# Altium PCB DWJC_Board2.PcbDoc (part 2 of 3)
Units mil, origin at the board's own origin, x right, y up, seen from the top; angles counter-clockwise.
Board outline 3947.04 x 3947.04 mil, 2 copper layers (Top Layer, Bottom Layer); 271 components, 195 nets, 853 pads, 792 vias.
Unrouted connection lines stored in the file: 1.
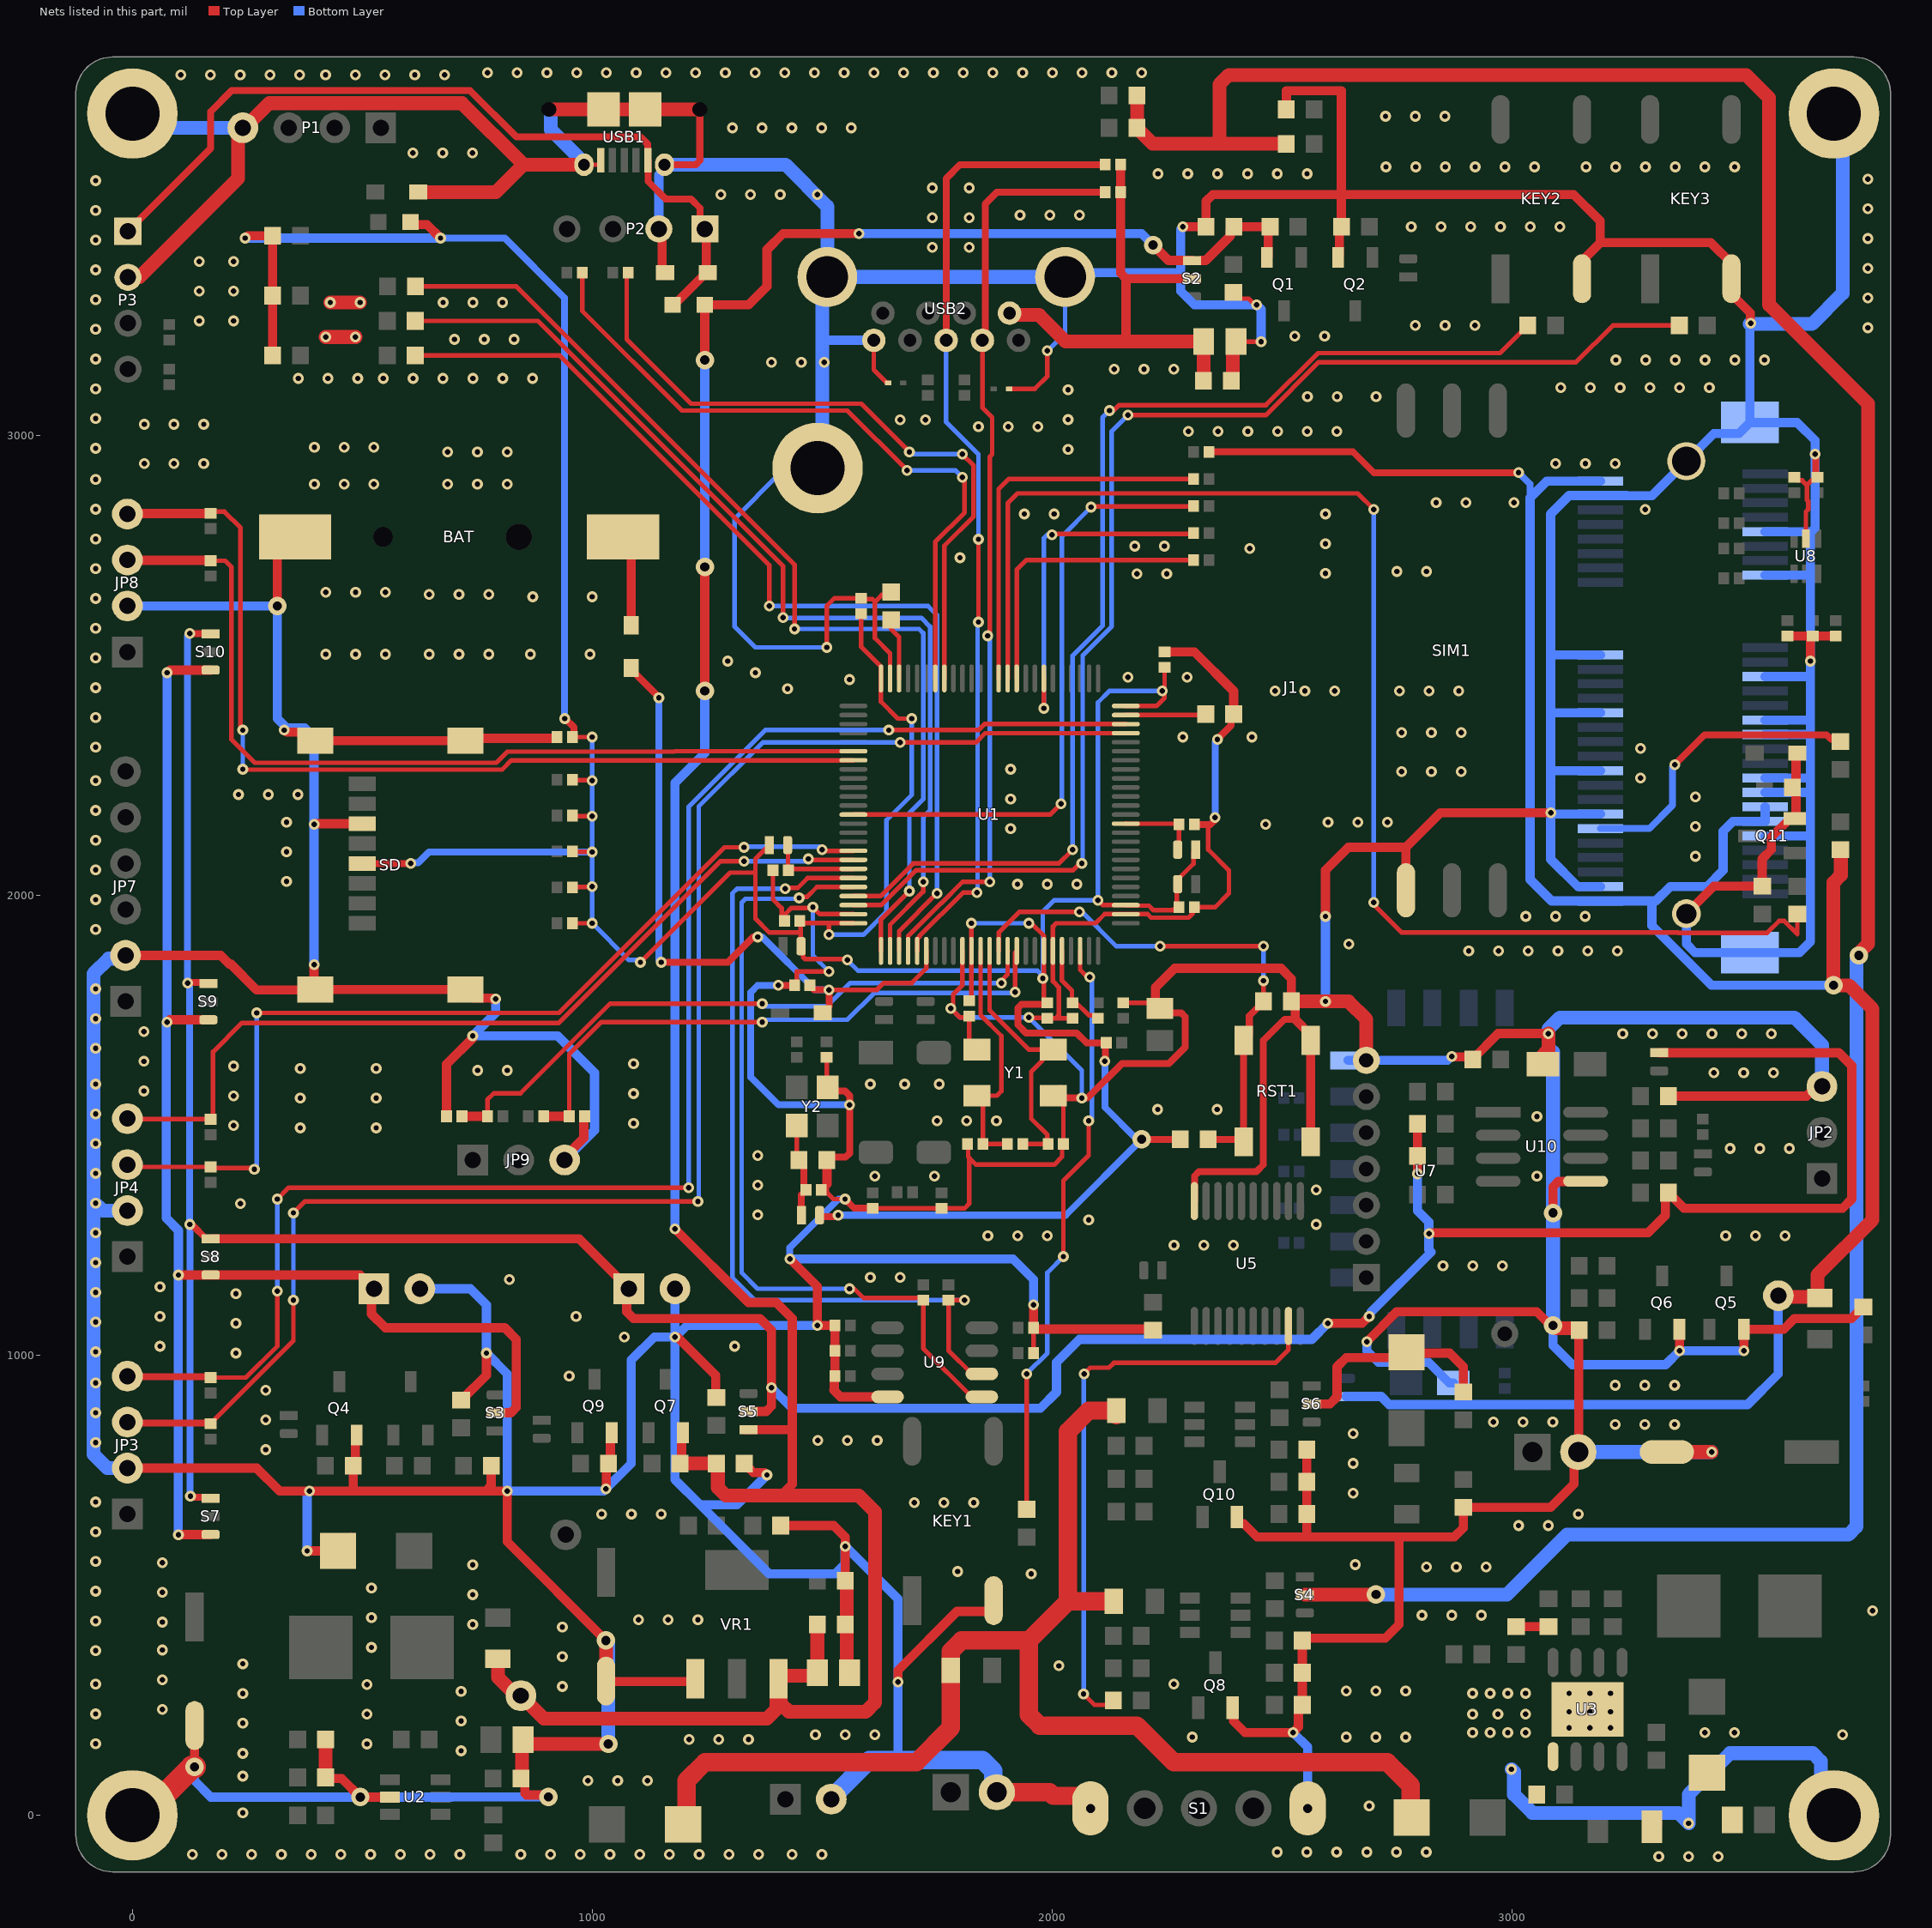
[diagram p2: the nets of this part, all layers, seen from the top]

## Via types
v1: diameter 23.62, hole 11.81, Top Layer to Bottom Layer, 761 vias
v2: diameter 40, hole 20, Top Layer to Bottom Layer, 31 vias

## Nets (pads, with @x,y where several pads share a name; then routed paths per layer and width w, separated by ;. In a path a pad name is that pad's centre, name@x,y a point inside that pad or via, vN(x,y) a via of type N, cw(c..) or ccw(c..) an arc to the next point about the centre after c; other vN are vias at no path point) (continued)
+3.3V_VCC_D: CB14.1 F5.2 J1.2 J1.39 J1.41 J1.52 R56.2 R65.1 TP3.1 | length 5278
  Top Layer w15: R65.1@2341.73,2965 2655,2965 2700,2920 v1(3015,2920)
  Top Layer w30: TP3.1@3580,1130 3582.5,1127.5 3667.5,1127.5 F5.2@3670,1125 3677.5,1125 3665,1137.5 3665,1175 3785,1295 3785,1753.58 3733.58,1805 v2(3700,1805) 3700,2028.5 3715.98,2044.49 3715.98,2099.68 R56.2@3715,2099.68
  Bottom Layer w15: v1(3015,2920) 3040,2895 3040,2865
  Bottom Layer w20: CB14.1@2640,910.63 2716.15,910.63 2733.59,893.19 3513.19,893.19 3580,960 TP3.1@3580,1130 ; J1.2@3192.99,2901.69 3192.83,2901.54 3076.54,2901.54 3040,2865 3040,2035 3086.54,1988.46 3192.83,1988.46 J1.52@3192.99,1988.31 3305,1988.31 ; J1.39@3551.26,2193.03 J1.41@3551.26,2161.53 3551.1,2161.38 3481.38,2161.38 3460,2140 3460,2055 3425,2020 3345,2020 3313.31,1988.31 3305,1988.31 ; v2(3700,1805) 3434.64,1805 3305,1934.64 3305,1988.31
+3.3V_VCC_OUT3.3: JP6.1 S3.2 S7.1 S8.1 S9.1 S10.1 | length 3178.2
  Top Layer w20: v1(75,1725) 75.98,1725 80.98,1730 S9.1@165,1730 ; v1(75,2485) 75.98,2485 81.61,2490.63 S10.1@170,2490.63 ; v1(100,610) 100.47,610.47 169.84,610.47 S7.1@170,610.63 ; v1(100,1175) S8.1@170,1175 495,1175 520,1150 520,1090 550,1060 810,1060 835,1035 835,886.87 823.28,875.16 790.16,875.16 S3.2@790,875
  Bottom Layer w20: v1(75,2485) v1(75,1725) 73.19,1723.19 73.19,1298.89 100,1272.08 v1(100,1175) 99.44,1174.44 99.44,610.56 v1(100,610) ; JP6.1@525,1140 JP6.1@525,1145
+3.3V_VDD: C12.1 C13.1 C14.1 C15.1 C16.1 C17.1 C21.1 CB1.2 CB2.1 CB3.1 CB6.2 CB7.2 F1.2 LED1.A LED2.A LED3.A R1.1 R4.1 R17.1 R18.1 R19.1 R20.1 R22.1 SD.4 U1.11 U1.19 U1.28 U1.50 U1.75 U1.100 | length 8989.7
  Top Layer w10: R17.1@956.73,1940 v1(1000,1940) ; R18.1@956.73,2018 957.73,2019 999,2019 v1(1000,2020) ; R19.1@956.73,2096 957.23,2095.5 999.5,2095.5 v1(1000,2095) ; R20.1@956.73,2174 958.23,2172.5 v1(1000,2172.5) ; R22.1@956.73,2252 957.73,2251 999,2251 v1(1000,2250) ; C21.1@956.73,2345 v1(1000,2345) ; v1(1105,1855) 1300,2050 1355,2050 ; CB2.1@1385,2110 1355,2080 1355,2050 ; C15.1@1453.05,1943.68 1453.05,1917.5 ; C15.1@1456.61,1940.12 U1.100@1568.03,1940.12 ; v1(1515,1915) 1515,1940.04 U1.100@1568.11,1940.04 ; v1(1555,1860) 1553.19,1861.81 1463.26,1861.81 1459.21,1865.86 1459.21,1885.16 CB6.2@1454.37,1890 1453.05,1891.32 1453.05,1917.5 ; C16.1@1585,2613.27 1585,2541.1 1628.15,2497.95 U1.75@1628.15,2472.52 1628.15,2421.85 1665,2385 v1(1695,2385) ; C14.1@1820,1771.73 1824.92,1776.65 1824.92,1879.92 U1.11@1825,1880 v1(1825,1940) ; v1(1950,1940) 1955,1940 1982.4,1912.6 1982.4,1880.08 U1.19@1982.48,1880 1982.56,1879.92 1982.56,1773.54 C17.1@1989.37,1766.73 ; v1(2100,1990) 2110.59,1979.41 U1.28@2160.63,1979.41 2161.85,1978.19 2210.97,1978.19 2220.97,1968.19 2263.19,1968.19 C12.1@2271.63,1976.63 ; U1.50@2160.63,2412.48 2227.48,2412.48 2245,2430 C13.1@2245,2496.54 ; C12.1@2271.63,1973.37 2273.27,1975 C12.1@2271.63,1976.63 ; CB7.2@2271.63,2026.63 2270,2025 2271.63,2023.37 C12.1@2271.63,1976.63 ; CB7.2@2273.58,2025 2273.58,2034.84 2308.11,2069.37 2308.11,2095.16 CB3.1@2312.95,2100 ; 1355,2050 1355,1950 1385.31,1919.69 1450.87,1919.69 1453.05,1917.5
  Top Layer w15: SD.4@500,2070 v1(605,2070) ; v1(940,2385) 941.21,2385 960,2366.21 960,2348.27 C21.1@956.73,2345 ; CB1.2@1494.37,1305 1494.37,1303.99 1496.71,1301.65 1531.65,1301.65 v1(1535,1305) ; C17.1@1989.37,1766.73 1986.42,1763.79 1933.79,1763.79 1925.69,1755.69 1925.69,1719.31 1943.88,1701.12 2053.88,1701.12 2075,1680 R4.1@2118.27,1680 2116.63,1678.37 2116.63,1641.63 v1(2115,1640) ; v2(2195,1470) R1.1@2279.37,1470 R1.1@2279.68,1470.32
  Top Layer w20: v1(245,3430) 245.98,3430 250.98,3435 LED1.A@304.68,3435 LED2.A@304.68,3305 LED3.A@304.68,3175 ; F1.2@605,3465 610.44,3459.56 640.44,3459.56 v1(670,3430)
  Bottom Layer w10: v1(1000,2345) v1(1000,2250) v1(1000,2172.5) v1(1000,2095) v1(1000,2020) v1(1000,1940) 1080,1860 1100,1860 v1(1105,1855) ; v1(1515,1915) 1590,1915 1640,1965 1640,2164.15 1695,2219.15 v1(1695,2385) ; v1(1555,1860) 1578.19,1836.81 1968.19,1836.81 v1@1980,1825 ; v1(1825,1940) v1(1950,1940) ; v1(1980,1820) v1@1980,1825 ; v1(2240,2445) 2125,2445 2100,2420 v1(2100,1990) 2005,1990 1980,1965 v1@1980,1825
  Bottom Layer w15: v1(605,2070) 606.65,2071.65 621.65,2071.65 645,2095 v1(1000,2095) ; v1(670,3430) 810,3430 940,3300 v1(940,2385) ; v1(1535,1305) 2030,1305 v2(2195,1470) 2185,1470 2115,1540 v1(2115,1640)
  Bottom Layer w20: v1(245,3430) v1(670,3430)
+5V_USB: D4.2 F2.1 P2.1 P3.1 USB1.1 | length 1823.8
  Top Layer w15: P3.1@-10,3445 170,3625 170,3705 215.96,3750.96 734.04,3750.96 835,3650 1105,3650 1120.53,3634.47 1120.53,3599.94 USB1.1@1120.91,3599.57 1121.28,3599.19 1121.28,3553.72 1160,3515 1215,3515 1235,3495 P2.1@1235,3460
  Top Layer w20: F2.1@1175,3285 1182.5,3292.5 1185.61,3292.5 1248.11,3355 D4.2@1251.46,3355 1248.23,3358.23 1248.23,3446.77 P2.1@1245,3450 P2.1@1235,3460
+5V_VCC: C22.2 C25.2 C26.2 C41.2 F2.2 F4.2 Q1.2 Q7.2 R25.2 R41.2 S2.3 S5.3 TP2.1 VR1.3 | length 6553.2
  Top Layer w20: v1(1180,1275) 1340,1115 1400,1115 1435,1080 1435,840 ; R41.2@1190.63,765 1194.61,768.98 1194.61,829.13 Q7.2@1197.4,831.93 1197.4,822.09 Q7.2@1200.2,819.29 ; v2(1245,2445) v2(1245,2715) ; v2(1245,3165) F2.2@1245,3285 1340,3285 1380,3325 1380,3405 1415,3440 v1(1580,3440) ; S5.3@1330.31,838.38 1330.47,838.54 S5.3@1340,838.54 1340.16,838.7 1433.7,838.7 1435,840 ; 1410,695 1435,720 1435,840 ; v2(2220,3415) 2253.54,3381.46 S2.3@2305,3381.46 ; 2324.98,3381.46 2334.51,3381.46 2387.68,3434.63 2387.68,3446.69 C26.2@2395.98,3455 R25.2@2474.68,3455 2470.39,3450.71 2470.39,3390.87 Q1.2@2467.6,3388.07
  Top Layer w30: F4.2@795,340 795,300 835,260 TP2.1@845,260 895,210 1380,210 1400.87,230.87 1400.87,292.2 VR1.3@1405.55,296.89 ; R41.2@1190.63,765 C41.2@1270,765 1273.31,761.69 1273.31,712.57 1290.88,695 1410,695 1580,695 1615,660 1615,245 1595,225 1427.81,225 1410.24,242.57 1410.24,292.2 VR1.3@1405.55,296.89 ; C22.2@1489.68,414.82 1489.82,414.68 1489.82,310.14 C25.2@1489.96,310 1483.41,303.44 1410.24,303.44 1405.55,298.76 VR1.3@1405.55,296.89
  Bottom Layer w20: v1(1180,1275) 1180,2245 1245,2310 v2(1245,2445) ; v2(1245,2715) v2(1245,3165) ; v1(1580,3440) 2195,3440 v2(2220,3415)
+5V_VCC_OUT5: CB15.1 JP5.1 R92.1 R94.1 R95.1 S5.2 S7.3 S8.3 S9.3 S10.3 | length 7261.4
  Top Layer w15: v1(120,1810) 120.85,1810.85 162.89,1810.85 S9.3@165,1808.74 ; v1(125,1285) 126.65,1283.35 130.55,1283.35 160.16,1253.74 S8.3@170,1253.74 ; v1(125,2570) 125.32,2569.68 169.69,2569.68 S10.3@170,2569.37 ; v1(126.25,693.75) 128.58,693.75 130.62,691.71 167.66,691.71 S7.3@170,689.37
  Top Layer w20: S8.3@170,1253.74 971.26,1253.74 JP5.1@1080,1145 1075,1140 1075,1095 1090,1080 1365,1080 1390,1055 v1(1390,930) 1390,890 1378.07,878.07 1340.16,878.07 S5.2@1340,877.91 ; v1(2600,1070) 2675,1070 v1(2690,1085) ; v1(2795,1395) 2795,1433.78 R94.1@2795.12,1433.9 R92.1@2795.12,1503.9 ; v1(2820,1265) 2821.81,1266.81 3296.81,1266.81 3334.61,1304.61 3334.61,1347.44 R95.1@3341.06,1353.9 ; CB15.1@3320.75,1658.27 3711.73,1658.27 3740,1630 3740,1340 3720,1320 3374.96,1320 R95.1@3350.35,1344.61
  Bottom Layer w15: v1(125,2570) 120,2565 v1(120,1810) 124.31,1805.69 124.31,1285.69 v1(125,1285) 125,695 v1(126.25,693.75)
  Bottom Layer w20: v1(1390,930) 1435,885 1975,885 2010,920 2010,985 2060,1035 2565,1035 v1(2600,1070) ; v1@2695,1095 2825,1225 2820,1230 v1(2820,1265) 2820,1290 2795,1315 v1(2795,1395)
+5V_VCC_USB: C54.2 C55.2 R80.2 R81.2 S2.2 USB2.1 | length 1067.2
  Top Layer w20: R80.2@2149.37,3590 R81.2@2149.37,3530 2149.37,3353.81 2161.09,3342.09 ; 2160,3205 2161.09,3206.09 2161.09,3342.09 ; S2.2@2305,3342.09 2161.09,3342.09
  Top Layer w30: USB2.1@1907.8,3266.89 1911.85,3262.84 1972.16,3262.84 2030,3205 2160,3205 C54.2@2330,3205 2329.84,3204.84 2329.84,3120.16 C55.2@2329.68,3120
+12V_VCC_CAM: R44.2 R84.1 R85.1 S4.2 | length 6230.2
  Top Layer w30: R84.1@2185,3740 R85.1@2185,3670 2185,3669.02 2219.02,3635 2364.35,3635 ; R44.2@2509.68,3635 2364.35,3635 ; S4.2@2550,479.37 2694.37,479.37 2695,480 v2(2705,480) ; v2(3755,1870) 3755,1875 3775,1895 3775,3070 3560,3285 3560,3735 3510,3785 2385,3785 2364.35,3764.35 2364.35,3635
  Bottom Layer w30: v2(2705,480) 2990,480 3120,610 3732.43,610 3750,627.57 v2@3750,1870
+12V_VCC_OUT: D12.1 R52.2 S6.2 | length 482.7
  Top Layer w20: S6.2@2565,894.37 2565.16,894.53 2604.53,894.53 2620,910 2620,975 2640,995 2759.51,995 D12.1@2771.58,1007.07 2773.65,1005 2865,1005 2895,975 R52.2@2895,920.32
ADC_CH1: R101.2 R102.1 U1.15 | length 1394.8
  Top Layer w10: R101.2@772.18,1520 772.18,1556.32 785.86,1570 843.79,1570 1038.79,1765 v1(1370,1765) ; v1(1890,1810) 1890,1815 1903.66,1828.66 1903.66,1879.92 U1.15@1903.74,1880
  Top Layer w20: R102.1@716.73,1520 R101.2@772.18,1520
  Bottom Layer w10: v1(1370,1765) 1375.4,1759.6 1511.01,1759.6 1561.41,1810 v1(1890,1810)
ADC_CH2: R103.2 R104.1 U1.16 | length 1307.8
  Top Layer w10: R104.1@950,1520 950,1655 1020,1725 v1(1370,1725) ; v1(1920,1790) 1920,1876.57 U1.16@1923.43,1880
  Top Layer w20: R103.2@894.55,1520 R104.1@950,1520
  Bottom Layer w10: v1(1370,1725) 1375,1730 1555,1730 1613.19,1788.19 1918.19,1788.19 v1(1920,1790)
BOOT0: CB2.2 R5.1 U1.94 | length 198.4
  Top Layer w10: CB2.2@1425,2110 1425.87,2109.13 1425.87,2055.87 R5.1@1426.73,2055 1429.8,2058.07 1568.03,2058.07 U1.94@1568.11,2058.15
BOOT1: CB3.2 R6.1 U1.37 | length 172
  Top Layer w10: U1.37@2160.63,2156.57 2160.71,2156.5 R6.1@2275.04,2156.5 ; R6.1@2275,2156.54 R6.1@2275.04,2156.5 ; CB3.2@2275.63,2100 2276.08,2100.45 2276.08,2154.55 R6.1@2276.54,2155 R6.1@2275.04,2156.5
CAM_CNT: R81.1 U1.4 USB2.8 | length 2022.7
  Top Layer w10: U1.4@1687.2,1880 1687.2,1912.2 1758.19,1983.19 1759.03,1983.19 1805.85,2030 v1(1865,2030) ; USB2.8@1848.74,3207.83 1848.74,3061.26 1870,3040 1870,2960 1865,2955 1865,2570 v1(1860,2565)
  Top Layer w15: USB2.8@1848.74,3207.83 1855,3214.09 1855,3505 1880,3530 R81.1@2115.91,3530
  Bottom Layer w10: v1(1860,2565) 1865,2560 v1(1865,2030)
CAM_CRTL: R46.1 U5.19 | length 1293.4
  Top Layer w10: v1(2068.75,263.75) 2092.5,240 2123.43,240 R46.1@2133.43,250 ; v1(2070,960) 2083.19,973.19 2124.03,973.19 2134.82,983.98 2486.04,983.98 2514.57,1012.5 U5.19@2514.57,1064.17
  Bottom Layer w10: v1(2068.75,263.75) 2069.38,264.38 2069.38,959.38 v1(2070,960)
CAM_TP: R80.1 U1.5 USB2.7 | length 2140.1
  Top Layer w10: U1.5@1706.89,1880 1706.89,1905.43 1711.65,1910.2 1711.65,1911.77 1806.48,2006.59 v1(1836.59,2006.59) ; v1(1840,2595) v1(1840,2775)
  Top Layer w15: USB2.7@1770,3207.83 1770,3560 1800,3590 R80.1@2115.91,3590
  Bottom Layer w10: USB2.7@1770,3207.83 1770,3030 1840,2960 v1(1840,2775) ; v1(1836.59,2006.59) 1838.19,2008.19 1838.19,2593.19 v1(1840,2595)
DC_IN: D5.1 D7.1 F3.2 F6.2 F7.2 | length 2916.2
  Top Layer w40: D5.1@1197.68,-20 1205,-12.68 1205,75 1245,115 1705,115 1780,190 F3.2@1780,315 1780,356.57 1803.43,380 1950,380 ; F6.2@2134.37,465 2035,465 ; F7.2@2140,870 F7.2@2140,880 2080,880 2035,835 2035,465 ; D7.1@2782.32,-5 2780,-2.68 2780,65 2730,115 2265,115 2185,195 1973.43,195 1950,218.43 1950,380 ; 1950,380 2035,465
EC25_DTR: R73.1 U1.60 | length 629.7
  Top Layer w10: U1.60@1923.43,2472.52 1923.43,2708.43 1945,2730 R73.1@2308.27,2730
EC25_PERST#: R60.1 U1.61 | length 3071.7
  Top Layer w10: U1.61@1903.74,2472.52 1903.74,2853.74 1925,2875 2665,2875 v1(2700,2840) ; v1@2697.5,1982.5 2760,1920 3362.06,1920 3362.81,1919.25 3555.99,1919.25 3581.74,1945 3592.82,1945 3621.41,1916.41 R60.1@3621.41,1959.69
  Bottom Layer w10: v1(2700,1985) v1(2700,2840)
EC25_RI: R70.1 U1.57 | length 765.7
  Top Layer w10: v1(1982.4,2407.4) 1982.4,2472.44 U1.57@1982.48,2472.52 ; v1(2000,2785) 2001.88,2786.88 2306.39,2786.88 R70.1@2308.27,2788.75
  Bottom Layer w10: v1(1982.4,2407.4) 1982.61,2407.61 1982.61,2777.61 1990,2785 v1(2000,2785)
EC25_W_DISABLE: R71.2 U1.88 | length 1358
  Top Layer w10: U1.88@1568.11,2176.26 1996.26,2176.26 v1(2020,2200) ; v1(2085,2845) 2086.25,2846.25 2307.02,2846.25 R71.2@2308.27,2847.5
  Bottom Layer w10: v1(2020,2200) 2021.81,2201.81 2021.81,2781.81 v1(2085,2845)
EC25_WAKE#: R66.1 U1.62 | length 844.9
  Top Layer w10: U1.62@1884.06,2472.52 1884.06,2884.06 1906.25,2906.25 R66.1@2308.27,2906.25
GND: BAT.2 C1.1 C2.2 C3.1 C4.1 C5.2 C6.1 C7.2 C8.1 C9.1 C10.1 C11.1 C12.2 C13.2 C14.2 C15.2 C16.2 C17.2 C18.1 C19.2 C20.2 C21.2 C22.1 C23.1 C24.2 C25.1 C26.1 C27.2 C28.1 C29.1 C30.2 C31.2 C34.1 C35.2 C36.2 C37.1 C38.1 C41.1 C42.1 C43.1 C45.1 C46.2 C47.1 C48.1 C49.1 C50.1 C51.1 C52.1 C53.2 C54.1 C55.1 C56.1 C57.2 D3.1 D4.1 D6.1 D8.1 D9.1 D10.2 D11.2 J1.4 J1.9 J1.15 J1.18 J1.21 J1.26 J1.27 J1.29 J1.34 J1.35 J1.37 J1.40 J1.43 J1.50 J1.53 J1.54 J1.MH1 J1.MH2 J1.MH3 JP1.2 JP2.3 JP3.2 JP4.2 JP5.2 JP6.2 JP7.2 JP8.2 JP9.3 KEY1.2 KEY2.2 KEY3.2 KF1.2 KF2.2 LED4.K LED5.K LED6.K LED7.K MH1.1 MH2.1 MH3.1 MH4.1 P1.4 P2.2 P3.2 Q2.2 Q4.2 Q5.2 Q6.2 Q8.2 Q9.2 Q10.2 Q11.2 R5.2 R6.2 R27.2 R29.1 R34.1 R36.1 R38.2 R39.1 R40.1 R45.2 R47.2 R48.2 R49.1 R53.2 R55.2 R64.2 R74.1 R77.2 R78.2 R79.2 R86.2 R102.2 R104.2 RST1.1 S1.0 SD.6 SD.9 SD.10 SD.11 SD.12 SIM1.4 U1.10 U1.20 U1.27 U1.74 U1.99 U2.2 U3.0 U3.5 U5.10 U7.7 U8.2 U9.4 U10.5 USB1.5 USB1.Shell USB2.5 USB2.Shell VR1.1 Y1.2 Y1.4 Y2.2 | length 45983.3
  Top Layer w10: USB1.Shell@975,3589.72 USB1.Shell@982.13,3589.72 1015.67,3589.72 1018.54,3592.6 USB1.5@1018.54,3599.57 ; USB1.Shell@1018.54,3685 1018.54,3704.09 USB1.Shell@1024.45,3710 ; R5.2@1393.27,2055 1393.27,1991.73 1412.2,1972.8 1412.2,1951.06 C15.2@1418.27,1945 1420,1946.73 1420,1960 1433.19,1973.19 1478.19,1973.19 v1(1480,1975) 1495.28,1959.72 U1.99@1568.11,1959.72 ; C7.2@1440,1805 1445,1810 1445,1835 v1(1515,1835) ; C18.1@1510,1648.27 1510,1584.61 Y2.2@1511.93,1582.68 ; v1(1510,2540) 1510,2630 1526.73,2646.73 C16.2@1585,2646.73 1586.73,2645 1609.14,2645 1615,2639.14 ; 1510.63,1373.15 1510.63,1354.37 1525,1340 v1(1550,1340) ; C19.2@1610,1320 C20.2@1760,1320 1810,1320 1820,1330 1820,1430 ; USB2.5@1612.52,3207.83 1612.52,3143.94 1641.46,3115 D10.2@1643.46,3115 ; U1.74@1647.83,2472.52 1647.83,2527.17 1615,2560 1615,2639.14 ; C4.1@1650,2660.32 1643.83,2654.14 1630,2654.14 1615,2639.14 ; v1@1785,1750 1800,1735 1816.73,1735 C14.2@1820,1738.27 1820,1682 Y1.4@1837,1665 ; v1@1785,1755 1785,1785 1805.31,1805.31 U1.10@1805.31,1880 ; C2.2@1816.54,1460 1817.8,1458.74 1817.8,1432.2 1820,1430 ; D11.2@1906.54,3102.2 1962.8,3102.2 1990,3129.41 v1(1990,3185) ; v1(1950,1735) 1950.87,1734.13 1989.13,1734.13 C17.2@1990,1733.27 2008.27,1733.27 ; R74.1@1960,1005 C53.2@1960,1060 ; Y1.2@2003,1565 2006.38,1565 2025,1546.38 C5.2@2025,1460 2022.2,1457.2 2022.2,1432.2 2005,1415 1835,1415 1820,1430 ; C6.1@2045,1733.27 2008.27,1733.27 ; C9.1@2155,1766.73 2223.27,1766.73 C8.1@2225,1765 ; C8.1@2229.13,1760.87 C8.1@2235,1755 ; C12.2@2306.73,1975 2306.73,1961.73 2297.2,1952.2 2215.74,1952.2 2208.22,1959.72 U1.27@2160.63,1959.72 2160.55,1959.8 2115.12,1959.8 2114.92,1960 2094.92,1940 2009.33,1940 2002.17,1932.83 U1.20@2002.17,1880 2002.17,1813.7 2015,1800.87 2015,1740 2008.27,1733.27 ; C12.2@2310,1975 2355,1975 2385,2005 2385,2055 2340,2100 2340,2150 2345,2155 ; C54.1@2393.62,3198.54 C54.1@2400.08,3205 v1(2455,3205) ; C29.1@2395,3311.78 2408.31,3298.47 2427.85,3298.47 2441.31,3285 v1(2445,3285) ; C50.1@3615,2909.92 3621.81,2903.11 3631.89,2903.11 3642.2,2892.8 ; U8.2@3640,2776.38 3640,2835 3645,2840 3645,2857.71 3642.2,2860.5 3642.2,2892.8 ; C49.1@3665,2909.92 3658.19,2903.11 3652.52,2903.11 3642.2,2892.8
  Top Layer w15: USB1.Shell@1157.32,3589.72 1225.31,3589.72 1234.09,3598.51 USB1.Shell@1234.09,3710 ; v1(1405,1805) C7.2@1440,1805 ; C11.1@1510.63,1425 1516.84,1431.21 1551.21,1431.21 1560,1440 v1(1560,1545) 1560,1565 1550,1575 1519.61,1575 Y2.2@1511.93,1582.68 ; v1(1550,1340) 1570,1320 C19.2@1610,1320 ; Y1.2@2003,1565 2019.12,1581.12 2019.12,1570.88 2030,1560 v1(2065,1560) 2077.5,1560 2152.5,1635 2254.53,1635 2290,1670.47 2290,1736.21 2281.21,1745 2245,1745 C8.1@2235,1755 ; U5.10@2309.84,1335.83 2309.99,1335.97 2309.99,1389.99 2320,1400 2445,1400 2460,1415 2460,1685 2505.94,1730.94 2528.94,1730.94 ; R6.2@2310,2155 2345,2155 2355,2165 v1(2355,2170) ; v1(2360,2340) 2390,2370 2390,2389.68 C3.1@2395.32,2395 ; v1(3660,2960) 3661.65,2958.35 3661.65,2913.27 C49.1@3665,2909.92
  Top Layer w20: JP7.2@-15,1870 191.72,1870 210.5,1851.21 213.79,1851.21 270,1795 361.54,1795 368.27,1788.27 SD.12@368.27,1795 ; JP3.2@-11,755 270,755 320,705 v1(385,705) 486.02,705 ; v2(135,105) C31.2@135,195 ; v2(315,2630) 315,2741.27 BAT.2@353.73,2780 ; v1(330,2360) 330.98,2360 335.51,2355.47 379.09,2355.47 SD.9@397.64,2336.93 SD.10@724.41,2336.93 729.68,2342.2 921.46,2342.2 923.27,2344.02 C21.2@923.27,2345 ; v1(380,575) D6.1@447.32,575 D6.1@476.69,604.37 ; SD.12@380,1795 SD.12@380.59,1795.59 ; v1(395,1850) 395,1810 SD.12@380.59,1795.59 ; v1(395,2155) 396.61,2156.61 SD.6@500,2156.61 ; R27.2@420,82.24 422.24,80 455,80 v2(495.57,39.43) U2.2@559.88,39.43 ; Q4.2@487.4,826.93 484.61,824.13 484.61,764.29 R36.1@480.31,760 480.31,710.71 486.02,705 ; R102.2@683.27,1520 683.27,1633.27 740,1690 v1(740,1695) ; C38.1@715,903.22 715.98,903.22 770,957.24 v1(770,1005) ; C34.1@780.63,760 780,759.37 780,716.72 768.28,705 ; v1(790,1775) 784.02,1775 781.97,1777.05 742.95,1777.05 SD.11@724.41,1795.59 SD.12@397.64,1795.59 SD.12@380.59,1795.59 ; C28.1@845.32,80 853.62,71.69 853.62,47.24 857.03,43.83 901.17,43.83 v2(905,40) ; JP9.3@940,1425 940,1431.45 981.65,1473.1 981.65,1518.19 R104.2@983.46,1520 ; C24.2@1028.74,290.63 1218.19,290.63 VR1.1@1224.45,296.89 ; v2(1030,380) 815,595 v1(815,705) 768.28,705 ; v1(1030,710) 1030.69,710.69 1030.69,760.38 R49.1@1035.31,765 1039.61,769.29 1039.61,829.13 Q9.2@1042.4,831.93 ; P2.2@1145,3450 1151.77,3443.23 1151.77,3361.34 1158.11,3355 D4.1@1158.54,3355 ; v1(1180,1040) 1185,1040 1268.47,956.53 1268.47,909.76 C43.1@1270,908.22 ; C41.1@1330.63,765 1330.63,764.02 1338.94,755.71 1339.92,755.71 1350.63,745 1375,745 v1(1380,740) ; LED4.K@1410,630 1525,630 1550.32,604.68 v1(1550.32,585) C23.1@1550.32,510 ; v1(1430,1210) 1490,1150 v1(1490,1065) R77.2@1528.27,1065 R78.2@1528.27,1010 R79.2@1528.27,955 1526.46,953.19 1526.46,926.46 1525,925 1540,910 U9.4@1642.64,910 ; 1510.63,1373.15 C11.1@1510.63,1425 ; v1(1665,290) 1665,315 1793.31,443.31 1864.22,443.31 1873.17,452.26 KEY1.2@1873.17,466.77 ; v1(1960,1110) C53.2@1960,1060 1960,1059.15 1961.81,1057.34 2217.34,1057.34 R47.2@2220,1054.68 ; C8.1@2229.13,1760.87 2225,1765 2225,1800 2266.81,1841.81 2498.19,1841.81 2520.63,1819.37 C1.1@2520.63,1770 2528.94,1761.69 2528.94,1730.94 2562.83,1697.05 RST1.1@2562.83,1685.24 RST1.1@2562.83,1464.76 ; C13.2@2245,2530 2310,2530 2395.32,2444.68 C3.1@2395.32,2395 ; v1(2285,3455) C26.1@2335.35,3455 2335.35,3510.35 2350,3525 2629.69,3525 ; Q8.2@2393.01,233.57 2395,231.58 2395,205 2420,180 v1(2524.62,180) 2536.34,191.72 2536.34,231.69 R48.2@2544.65,240 R45.2@2544.65,310 C42.1@2544.65,380 2549.65,385 2725,385 2755,415 2755,605 ; Q10.2@2402.4,648.57 2402.4,637.74 2406.18,633.96 2417.01,633.96 2445.97,605 2555,605 ; LED6.K@2509.69,3710 2510,3710.31 2510,3750.31 2629.69,3750.31 2629.69,3525 ; C45.1@2554.65,795 R53.2@2554.65,725 R55.2@2554.65,655 2554.65,605.35 2555,605 ; S1.0@2556.22,15 2556.22,16.22 S1.0@2570,30 ; v1(2595,1955) 2595,2055 2645,2105 2770,2105 ; Q2.2@2622.6,3388.07 2625.39,3390.87 2625.39,3450.71 R29.1@2629.69,3455 2629.69,3525 ; v1(2685,1030) 2750,1095 3054.59,1095 3084.59,1065 v2(3090,1065) ; SIM1.4@2770,2011.69 2770,2105 ; v1(2870,1650) 2870.69,1649.31 2910.02,1649.31 C56.1@2915.43,1643.9 2915.43,1644.88 2970.55,1700 v1(3080,1700) ; R34.1@3010,410 R40.1@3080,410 ; C57.2@3060,1645 3067.6,1637.4 C57.2@3067.6,1633.9 ; v1(3085,2180) 2845,2180 2770,2105 ; U3.5@3090,106.97 U3.5@3090,127.64 ; v2(3090,1310) 3090,1366.44 3101.72,1378.15 3160.12,1378.15 U10.5@3160.87,1378.9 U10.5@3161.61,1378.15 ; R39.1@3146.89,1055.02 3145.94,1054.08 3145.94,790.94 KF2.2@3145,790 3135.63,780.63 3135.63,720.63 3084.69,669.69 LED7.K@2895,669.69 2895,625 2875,605 2755,605 ; KEY2.2@3153.17,3341.77 3153.17,3380.48 3192.69,3420 ; R86.2@3341.06,1563.9 3641.2,1563.9 3662.3,1585 JP2.3@3675,1585 ; Q6.2@3364.92,1056.95 3364.96,1056.91 v1(3365,1010) v1(3365,1010) ; J1.MH2@3380,1960.75 3439.88,2020.63 R64.2@3545,2020.63 3545,2080 3565,2100 3565,2127.61 3604.8,2167.4 Q11.2@3615.62,2167.4 3618.54,2170.32 3618.54,2307.08 D9.1@3621.46,2310 ; v1(3505,1010) 3505,1056.87 Q5.2@3504.92,1056.95 3591.95,1056.95 3615,1080 3738.7,1080 3764.02,1105.31 LED5.K@3765,1105.31 ; v1(3520,3245) 3519.31,3245.69 3519.31,3267.17 3478.17,3308.31 KEY3.2@3478.17,3341.77 3478.17,3375.24 3433.4,3420 3192.69,3420 ; C51.1@3600,2564.72 C52.1@3654.02,2564.72 ; v1(3650,2510) 3650,2559.72 3652.2,2561.93 3652.2,2562.91 C52.1@3654.02,2564.72 ; C48.1@3705,2564.72 C52.1@3655,2564.72 C52.1@3654.02,2564.72 ; 486.02,705 768.28,705 ; 2555,605 2755,605 ; 2629.69,3525 3135,3525 3192.69,3467.31 3192.69,3420
  Top Layer w30: P3.2@-10,3345 15,3345 230,3560 230,3660 P1.4@240,3670 244.04,3670 297.5,3723.46 716.54,3723.46 850.28,3589.72 ; R27.2@420,82.24 C30.2@420,164.74 ; v1(420.32,3215) v1(485,3215) ; v1(430.32,3290) v1(495,3290) ; D3.1@621.46,3530 790.55,3530 850.28,3589.72 ; C28.1@845.32,80 847.66,82.34 847.66,162.4 C27.2@850,164.74 850,162.83 857.83,155 v2(1035,155) ; USB1.Shell@905.35,3710 USB1.Shell@1024.45,3710 USB1.Shell@1115,3710 USB1.Shell@1234.09,3710 ; USB1.Shell@975,3589.72 850.28,3589.72 ; C24.2@1028.74,290.63 C24.2@1030,291.89 v2(1030,380) ; C23.1@1550.32,510 1553.62,506.69 1553.62,316.42 C25.1@1560.04,310 ; C55.1@2390.32,3120 2393.62,3123.31 C54.1@2393.62,3198.54 ; C1.1@2520.63,1770 v1(2595,1770) 2645,1770 2683.82,1731.18 U7.7@2683.82,1641.79 ; C57.2@3060,1645 3080,1665 v1(3080,1700) ; v2(3090,1065) 3095.68,1059.32 3143.58,1059.32 3146.89,1056.01 R39.1@3146.89,1055.02 ; C35.2@3305,-25 3305,-24.74 C35.2@3312.24,-17.5 ; C36.2@3337.52,790 v1(3435,790) ; C37.1@3472.46,-17.5 C37.1@3479.96,-10
  Top Layer w40: KF1.2@1880,50 1995,50 2002.9,42.1 2065.88,42.1 2083.78,24.2 S1.0@2083.78,15
  Top Layer w50: MH1.1@0,0 25,0 130,105 v2(135,105)
  Bottom Layer w10: v1(1480,1975) 1480,1870 v1(1515,1835) ; J1.MH3@1490.24,2929.88 1439.67,2929.88 1427.29,2917.5 1407.5,2917.5 1310,2820 1310,2585 1355,2540 v1(1510,2540) ; v1(1780,1755) 1800,1735 v1(1950,1735) 2065,1620 v1(2065,1560) ; v1(1990,3185) 2028.66,3223.66 USB2.Shell@2028.66,3345.63
  Bottom Layer w15: v1(1405,1805) 1360,1805 1345,1790 1345,1605 1405,1545 v1(1560,1545) ; v1(1430,1210) 1430,1234.38 1535.62,1340 v1(1550,1340) ; v1(2355,2170) 2355,2335 v1(2360,2340)
  Bottom Layer w20: JP8.2@-11,2630 v2(315,2630) 315,2385 335,2365 375,2365 395,2345 v1(395,2155) v1(395,1850) ; v2(135,105) 135,75 170.57,39.43 v2(495.57,39.43) 694.43,39.43 695,40 v2(905,40) ; v1(380,575) 380,700 v1(385,705) ; JP6.2@625,1145 735,1145 770,1110 v1(770,1005) 815,960 v1(815,705) 1025,705 v1(1030,710) 1085,765 1085,990 1135,1040 v1(1180,1040) ; v1(790,1775) 790,1745 v1(740,1695) 925,1695 1005,1615 1005,1490 JP9.3@940,1425 ; P2.2@1145,3450 1145,3567.69 1157.32,3580.01 USB1.Shell@1157.32,3589.72 ; JP5.2@1180,1145 v1(1180,1040) ; v1(1380,740) 1315,675 1235,675 ; v1(1430,1210) 1915,1210 1960,1165 v1(1960,1110) ; v1(1490,1065) 1205.98,1065 1180.98,1040 v1(1180,1040) ; 1500.79,3200 1508.62,3207.83 USB2.5@1612.52,3207.83 ; 1660,120 1665,125 v1(1665,290) 1665,470.32 v1(1550.32,585) 1549.62,584.31 1549.62,546.34 1528.28,525 1385,525 1235,675 ; USB2.Shell@2028.66,3345.63 2038.03,3355 2280,3355 ; v1(2285,3455) 2285,3454.02 2280,3449.02 2280,3355 ; v1(2455,3205) 2455,3275 v1(2445,3285) 2310,3285 2280,3315 2280,3355 ; v1(2524.62,180) 2556.22,148.4 S1.0@2556.22,30 ; v1(2595,1770) v1(2595,1955) ; U7.7@2644.45,1641.61 2860.63,1641.61 2869.02,1650 v1(2870,1650) ; v1(2685,1030) 2685,1010 2710.14,984.86 2819.43,984.86 2864.29,940 C46.2@2873.15,940 ; v2(3090,1065) 3090,1021.72 3131.72,980 3335,980 v1(3365,1010) v1(3505,1010) ; J1.50@3192.99,2019.8 3192.83,2019.96 3144.06,2019.96 3085,2079.02 v1@3085,2177.28 ; J1.40@3192.99,2177.28 v1@3085,2177.28 ; J1.34@3192.99,2271.77 3085,2271.77 ; J1.26@3192.99,2397.76 3085,2397.76 ; J1.18@3192.99,2523.74 3085,2523.74 ; J1.MH2@3380,1960.75 3380,1895 3398.9,1876.1 J1.54@3517.8,1876.1 3626.1,1876.1 3650,1900 3650,2130 ; v1@3518.26,3243.26 J1.53@3518.26,3028.98 ; J1.43@3551.26,2130.04 3649.96,2130.04 3650,2130 ; J1.37@3551.26,2224.53 3649.53,2224.53 3650,2225 ; J1.35@3551.26,2256.02 3648.98,2256.02 3650,2255 ; J1.29@3551.26,2350.51 3649.49,2350.51 3650,2350 ; J1.27@3551.26,2382.01 3647.99,2382.01 3650,2380 ; J1.21@3551.26,2476.5 3646.5,2476.5 3650,2480 ; J1.15@3551.26,2696.97 3648.03,2696.97 3650,2695 ; J1.9@3551.26,2791.46 3648.54,2791.46 3650,2790 ; v1(1180,1040) 1180,730 1235,675 ; v1@3085,2177.28 v1(3085,2180) 3085,2271.77 ; 3085,2271.77 3085,2397.76 ; 3085,2397.76 3085,2523.74 ; 3085,2523.74 3085,2830 3125.04,2870.04 3192.83,2870.04 J1.4@3192.99,2870.2 3193.15,2870.04 3249.96,2870.04 3250,2870 3305,2870 J1.MH1@3380,2945 3440,3005 3494.28,3005 J1.53@3518.26,3028.98 ; J1.53@3518.26,3028.98 3621.02,3028.98 3660,2990 v1(3660,2960) 3660,2800 3650,2790 ; 3650,2130 3650,2225 ; 3650,2225 3650,2255 ; 3650,2255 3650,2350 ; 3650,2350 3650,2380 ; 3650,2380 3650,2480 ; 3650,2480 v1(3650,2510) 3650,2695 ; 3650,2695 3650,2790
  Bottom Layer w30: JP7.2@-15,1870 -22.07,1862.93 -52.07,1862.93 -85,1830 v1@-85,1335 ; JP3.2@-11,755 -55,755 -85,785 v1@-85,1335 ; JP4.2@-11,1315 -65,1315 v1@-85,1335 ; MH4.1@0,3700.79 30.79,3670 P1.4@240,3670 ; USB1.Shell@905.35,3710 910.16,3705.19 910.16,3665.63 982.13,3593.66 USB1.Shell@982.13,3589.72 ; v2(1030,380) 1030,377.29 1035,372.29 v2(1035,155) ; USB1.Shell@1157.32,3589.72 1420.28,3589.72 1511.34,3498.66 USB2.Shell@1511.34,3345.63 ; J1.MH3@1490.24,2929.88 1500.79,2940.43 1500.79,3200 1500.79,3335.08 USB2.Shell@1511.34,3345.63 ; USB2.Shell@2028.66,3345.63 USB2.Shell@1511.34,3345.63 ; v1(2999.68,100) 3005,94.68 3005,45 3045,5 3362.5,5 v1(3385,-17.5) 3385,45 3475,135 3655,135 3672.57,117.43 3672.57,28.21 MH2.1@3700.79,0 ; v2(3090,1065) v2(3090,1310) 3090,1660 3080,1670 v1(3080,1700) 3080,1710 3105,1735 3615,1735 3675,1675 JP2.3@3675,1585 ; KF2.2@3145,790 v1(3435,790) ; v1@3518.26,3243.26 3653.26,3243.26 3720,3310 3720,3681.57 MH3.1@3700.79,3700.79
  Bottom Layer w40: JP1.2@1520,35 1520,37.18 1602.82,120 1660,120 1849.16,120 1872.59,96.57 1872.59,57.41 KF1.2@1880,50
  other v1: 3320,-90 3384.68,-90 3449.35,-90 130,-85 194.68,-85 259.35,-85 324.03,-85 388.71,-85 453.39,-85 518.06,-85 582.74,-85 647.42,-85 712.1,-85 844.68,-85 909.35,-85 974.03,-85 1038.71,-85 1103.39,-85 1168.06,-85 1232.74,-85 1297.42,-85 1362.1,-85 1435,-85 1499.68,-85 2490,-80 2554.68,-80 2619.35,-80 2685,-80 2749.68,-80 2814.35,-80 240,5 2690,20 990.65,75 1055.32,75 1120,75 240,85 240,134.35 715,140 510,155 -80,155.65 1210.65,165 1275.32,165 1340,165 2305,170 2640,170 2704.68,170 2769.35,170 1485.65,175 1550.32,175 1615,175 3720,175 2915,180 2953.33,180 2991.67,180 3030,180 3420,180 3484.68,180 3125,190 3170.32,190 3215,190 240,200 715,204.68 -80,220.32 510,219.68 2915,220 2970,219.68 3030,220 3125,225 3170.32,225 3215,225 65,230 240,264.68 2915,265 2953.33,265 2991.67,265 3030,265 3125,265 3170.32,265 3215,265 715,269.35 2640,270 2704.68,270 2769.35,270 935,280 510,284.35 -80,285 2265,285 65,294.68 2015,325 240,329.35 935,344.68 -80,357.9 65,359.35 520,365 935,409.35 740,415 65,420 -80,422.58 1100.65,425 1165.32,425 1230,425 520,429.68 2805,435 2869.68,435 2934.35,435 3785,445 740,479.68 65,484.68 -80,487.26 520,494.35 1955,525 1795,530 2815,540 2879.68,540 2944.35,540 740,544.35 2660,545 65,549.35 -80,551.94 -80,616.61 3015,630 3079.68,630 1020.65,655 1085.32,655 1150,655 3145,655 1700.65,680 1765.32,680 1830,680 -80,681.29 2655,700.65 2655,765.32 290,795 -80,810.65 1490.65,815 1555.32,815 1620,815 2655,830 3225,850 3289.68,850 3354.35,850 2960,855 3024.68,855 3089.35,855 290,859.68 -80,875.32 290,924.35 3225,935 3289.68,935 3354.35,935 -80,940 950,955 225,1005 -80,1007.9 60,1020 1310,1020 1070,1040 225,1069.68 -80,1072.58 60,1084.68 965,1085 225,1134.35 -80,1137.26 60,1149.35 820,1165 1605,1170 1669.68,1170 2850.65,1195 2915.32,1195 2980,1195 -80,1201.94 2265.65,1240 2330.32,1240 2395,1240 1860.65,1260 1925.32,1260 1990,1260 3465.65,1260 3530.32,1260 3595,1260 -80,1266.61 2575,1285 2080,1295 1360,1305.65 235,1330 -80,1331.29 2575,1360 1360,1370.32 1615,1390 1744.35,1390 3055,1390 -80,1395.97 1360,1435 3475,1450 3539.68,1450 3604.35,1450 -80,1460.65 365,1495 530,1495 220,1500 1090,1505 1750,1510 1814.68,1510 1879.35,1510 3055,1519.35 -80,1525.32 2230,1535 2359.35,1535 365,1559.68 530,1559.68 220,1564.68 1090,1569.68 25,1575 -80,1590 1605,1590 1679.68,1590 1755,1590 3440,1615 3504.68,1615 3569.35,1615 750.65,1620 815.32,1620 365,1624.35 530,1624.35 220,1629.35 1090,1634.35 25,1639.68 -80,1667.9 3241.61,1700 3306.29,1700 3370.97,1700 3435.65,1700 3500.32,1700 3565,1700 25,1704.35 -80,1732.58 -80,1797.26 2906.61,1880 2971.29,1880 3035.97,1880 3100.65,1880 3165.32,1880 3230,1880 2645.65,1895 -80,1926.61 3030.65,1955 3095.32,1955 3160,1955 -80,1991.29 1925,2025 1989.68,2025 2054.35,2025 335,2030.65 -80,2055.97 3400,2085.65 335,2095.32 -80,2120.65 1910,2145.65 3400,2150.32 2465,2155 335,2160 2600.65,2160 2665.32,2160 2730,2160 -80,2185.32 1910,2210.32 3400,2215 230.65,2220 295.32,2220 360,2220 -80,2250 3280,2255.65 2760.65,2270 2825.32,2270 2890,2270 1910,2275 3280,2320.32 -80,2322.9 2285,2345 2435,2345 2760.65,2355 2825.32,2355 2890,2355 -80,2387.58 2485.65,2445 2550.32,2445 2615,2445 2755.65,2445 2820.32,2445 2885,2445 1425,2450 -80,2452.26 1560,2470 2165,2475 2294.35,2475 1355,2485 1295,2510 -80,2516.94 420.65,2525 485.32,2525 550,2525 645.65,2525 710.32,2525 775,2525 865.65,2525 995,2525 -80,2581.61 -80,2646.29 870.65,2650 1000,2650 645.65,2655 710.32,2655 775,2655 420.65,2660 485.32,2660 550,2660 2185,2700 2249.68,2700 2595,2700.65 2750.32,2705 2815,2705 -80,2710.97 1800,2735 2430,2755 2180,2760 2244.68,2760 2595,2765.32 -80,2775.65 1940,2830 2004.68,2830 2595,2830 -80,2840.32 3290.65,2840 2835.65,2855 2900.32,2855 3005,2855 395.65,2895 460.32,2895 525,2895 685.65,2895 750.32,2895 815,2895 -80,2905 25.65,2940 90.32,2940 155,2940 3095.65,2940 3160.32,2940 3225,2940 685.65,2965 750.32,2965 815,2965 2035,2970.65 -80,2972.9 395.65,2975 460.32,2975 525,2975 2296.61,3010 2361.29,3010 2425.97,3010 2490.65,3010 2555.32,3010 2620,3010 1840,3020 1904.68,3020 1969.35,3020 25.65,3025 90.32,3025 155,3025 1670,3035 1725,3035 2035,3035.32 -80,3037.58 2555.65,3085 2620.32,3085 2705,3085 2035,3100 -80,3102.26 3106.61,3105 3171.29,3105 3235.97,3105 3300.65,3105 3365.32,3105 3430,3105 360.65,3125 425.32,3125 490,3125 545.65,3125 610.32,3125 675,3125 740.65,3125 805.32,3125 870,3125 2135.65,3145 2200.32,3145 2265,3145 1390,3160 1454.68,3160 1505,3160 3226.61,3165 3291.29,3165 3355.97,3165 3420.65,3165 3485.32,3165 3550,3165 -80,3166.94 700.65,3210 765.32,3210 830,3210 2528.53,3217.12 2593.2,3217.12 -80,3231.61 3775,3235 2790.65,3240 2855.32,3240 2920,3240 145,3250 220,3250 675.65,3290 740.32,3290 805,3290 -80,3296.29 3775,3299.68 145,3314.68 220,3314.68 -80,3360.97 3775,3364.35 145,3379.35 220,3379.35 1740,3410 1820,3410 -80,3425.65 3775,3429.03 2781.61,3455 2846.29,3455 2910.97,3455 2975.65,3455 3040.32,3455 3105,3455 1740,3474.68 1820,3474.68 1930.65,3480 1995.32,3480 2060,3480 -80,3490.32 3775,3493.71 1279.68,3525 1344.35,3525 1409.03,3525 1490,3525 1740,3539.35 1820,3539.35 -80,3555 3775,3558.39 2230.65,3570 2295.32,3570 2360,3570 2425.65,3570 2490.32,3570 2555,3570 2726.61,3585 2791.29,3585 2855.97,3585 2920.65,3585 2985.32,3585 3050,3585 3161.61,3585 3226.29,3585 3290.97,3585 3355.65,3585 3420.32,3585 3485,3585 610,3615 674.68,3615 739.35,3615 1305,3670 1369.68,3670 1434.35,3670 1499.03,3670 1563.71,3670 2725.65,3695 2790.32,3695 2855,3695 105,3785 169.68,3785 234.35,3785 299.03,3785 363.71,3785 420,3785 484.68,3785 549.35,3785 614.03,3785 678.71,3785 772.1,3790 836.77,3790 901.45,3790 966.13,3790 1030.81,3790 1095.48,3790 1160.16,3790 1224.84,3790 1289.52,3790 1354.19,3790 1418.87,3790 1483.55,3790 1548.23,3790 1612.9,3790 1677.58,3790 1742.26,3790 1806.93,3790 1871.61,3790 1936.29,3790 2000.97,3790 2065.64,3790 2130.32,3790 2195,3790
I2C_SCL_EM: R76.2 U1.95 U9.6 | length 1880
  Top Layer w10: v1(1420,2015) 1421.81,2016.81 1446.81,2016.81 1468.46,2038.46 U1.95@1568.11,2038.46 ; v1(1810,1120) 1785,1120 1780,1115 R76.2@1775,1120 1775,1010.71 1825.71,960 U9.6@1847.36,960
  Bottom Layer w10: v1(1420,2015) 1315,2015 1305,2005 1305,1169.15 1354.15,1120 v1(1810,1120)
I2C_SCL_HT: JP4.3 R97.2 U1.92 | length 2088
  Top Layer w10: JP4.3@-11,1415 -6,1410 R97.2@170,1410 172.5,1407.5 262.5,1407.5 v1(265,1405) ; v1(270,1745) 927.94,1745 1287.94,2105 v1(1330,2105) ; v1(1500,2100) 1502.48,2097.52 U1.92@1568.11,2097.52
  Bottom Layer w10: JP4.3@-11,1415 JP4.3@-11,1429 ; v1(265,1405) 270,1410 v1(270,1745) ; v1(1330,2105) 1331.81,2106.81 1493.19,2106.81 v1(1500,2100)
I2C_SCL_LT: JP3.3 R90.2 U1.47 | length 3460.9
  Top Layer w10: R90.2@170,851.73 170.98,851.73 177.8,858.54 177.8,859.53 350,1031.73 v1(350,1120) ; v1(350,1310) 375,1335 v1(1230,1335) ; v1(1670,2333.19) 1834.4,2333.19 1854.64,2353.43 U1.47@2160.63,2353.43
  Top Layer w15: JP3.3@-11,855 -9.37,853.37 168.37,853.37 R90.2@170,851.73
  Bottom Layer w10: v1(350,1120) v1(350,1310) ; v1(1230,1335) 1231.81,1336.81 1231.81,2194.24 1370.76,2333.19 v1(1670,2333.19)
I2C_SCL_SH: JP8.3 R99.2 U1.81 | length 1991.9
  Top Layer w10: R99.2@170,2728.46 201.54,2728.46 215,2715 215,2340 266.08,2288.92 791.08,2288.92 815.35,2313.19 1178.58,2313.19 1179.45,2314.06 U1.81@1568.11,2314.06
  Top Layer w20: JP8.3@-11,2730 -10.23,2729.23 169.23,2729.23 R99.2@170,2728.46
I2C_SDA_EM: R75.2 U1.96 U9.5 | length 1757.4
  Top Layer w10: v1(1450,1995) 1452.61,1997.61 1467.61,1997.61 1488.78,2018.78 U1.96@1568.11,2018.78 ; v1(1560,1145) 1570,1145 1590,1125 1715,1125 R75.2@1720,1120 1720,1015.71 1825.71,910 U9.5@1847.36,910
  Bottom Layer w10: v1(1450,1995) 1448.19,1993.19 1333.19,1993.19 1325,1985 1325,1180 1360,1145 v1(1560,1145)
I2C_SDA_HT: JP4.4 R98.2 U1.93 | length 1898.2
  Top Layer w10: JP4.4@-11,1515 -10.23,1514.23 169.23,1514.23 R98.2@170,1513.46 175.28,1518.74 175.28,1660.28 238.19,1723.19 927.34,1723.19 1279.15,2075 v1(1330,2075) ; v1(1470,2080) 1472.17,2077.83 U1.93@1568.11,2077.83
  Bottom Layer w10: v1(1330,2075) 1465,2075 v1(1470,2080)
I2C_SDA_LT: JP3.4 R93.2 U1.48 | length 3434.6
  Top Layer w10: R93.2@170,951.73 246.73,951.73 315,1020 v1(315,1140) ; v1(315,1340) 340,1365 v1(1210,1365) ; v1(1645,2360) 1840,2360 1853.11,2373.11 U1.48@2160.63,2373.11
  Top Layer w15: JP3.4@-11,955 -9.37,953.37 168.37,953.37 R93.2@170,951.73
  Bottom Layer w10: v1(315,1140) v1(315,1340) ; v1(1210,1365) 1210,2193.64 1376.36,2360 v1(1645,2360)
I2C_SDA_SH: JP8.4 R100.2 U1.82 | length 2126.2
  Top Layer w10: R100.2@170,2831.73 173.27,2835 200,2835 235,2800 235,2365 v1(240,2360) ; v1@240,2273.92 803.92,2273.92 824.37,2294.37 U1.82@1568.11,2294.37
  Top Layer w20: JP8.4@-11,2830 -10.13,2830.87 169.13,2830.87 R100.2@170,2831.73
  Bottom Layer w10: v1(240,2275) v1(240,2360)
KEY1: R12.1 U1.23 | length 1287
  Top Layer w10: R12.1@1945,665.31 v1(1945,960) ; v1(2025,1215) 2025,1380 2080,1435 v1(2080,1510) ; U1.23@2061.22,1880 2061.22,1838.78 2077.39,1822.61 v1(2082.39,1822.61)
  Bottom Layer w10: v1(1945,960) 1990,1005 1990,1180 v1(2025,1215) ; v1(2080,1510) 2086.81,1516.81 2086.81,1818.19 v1(2082.39,1822.61)
KEY2: R13.1 U1.97 | length 2493.7
  Top Layer w10: U1.97@1568.11,1999.09 1627.04,1999.09 1697.94,2070 2015,2070 v1(2045,2100) ; v1(2125,3055) 2134.15,3055 2145.97,3066.81 2465.6,3066.81 2578.79,3180 2974.69,3180 3020.39,3225.71 3021.38,3225.71 3034.69,3239.02 R13.1@3034.69,3240
  Bottom Layer w10: v1(2045,2100) 2045,2521.84 2110,2586.84 2110,3040 v1(2125,3055)
KEY3: R16.1 U1.98 | length 2831.3
  Top Layer w10: U1.98@1568.11,1979.41 1628.56,1979.41 1704.15,2055 2045,2055 2060,2070 v1(2065,2070) ; v1(2165,3045) 2465,3045 2580,3160 3140,3160 3220,3240 R16.1@3364.69,3240
  Bottom Layer w10: v1(2065,2070) 2066.81,2071.81 2066.81,2522.44 2130,2585.63 2130,3010 v1(2165,3045)
LED1: R9.1 U1.1 | length 2228.1
  Top Layer w10: R9.1@615.31,3325 835.25,3325 1439.91,2720.34 1439.91,2719.41 1440,2719.31 v1(1440,2580) ; U1.1@1628.15,1880 1628.15,1948.15 v1(1690,2010)
  Bottom Layer w10: v1(1440,2580) 1710.86,2580 1720,2570.86 1720,2210 1690,2180 v1(1690,2010)
LED2: R10.1 U1.2 | length 2209.2
  Top Layer w10: R10.1@615,3250 881.97,3250 1415,2716.97 v1(1415,2605) ; U1.2@1647.83,1880 1647.91,1880.08 1647.91,1936.7 1720,2008.79 v1(1720,2030)
  Bottom Layer w10: v1@1410,2610 v1(1415,2605) 1415.86,2604.14 1715.86,2604.14 1735,2585 1735,2185 1720,2170 v1(1720,2030)
LED3: R11.1 U1.3 | length 2185.4
  Top Layer w10: R11.1@615,3175 928.68,3175 1385,2718.68 v1(1385,2630) ; U1.3@1667.52,1880 1667.6,1880.08 1667.6,1922.6 v1(1750,2005)
  Bottom Layer w10: v1(1385,2630) 1730.36,2630 1750,2610.36 v1(1750,2005)
LED_WWAN#: J1.42 LED8.K | length 661.7
  Top Layer w15: v1(3355,2285) 3420,2350 3685,2350 3695,2340 3710,2340 LED8.K@3715,2335
  Bottom Layer w15: J1.42@3192.99,2145.79 3299.21,2145.79 3350,2196.57 3350,2280 v1(3355,2285)
LOG_RXD: R15.2 U1.69 | length 1523.6
  Top Layer w10: R15.2@978.46,3355 978.46,3271.54 1195,3055 1555,3055 v1(1685,2925) ; U1.69@1746.26,2472.52 1746.26,2769.1 1810,2832.84 v1@1810,2910
  Bottom Layer w10: v1(1685,2925) 1790,2925 v1(1805,2910)
LOG_TXD: R14.2 U1.68 | length 1504.1
  Top Layer w10: R14.2@1078.46,3355 1075,3351.54 1075,3210 1215,3070 1585,3070 v1(1690,2965) ; U1.68@1765.94,2472.52 1765.94,2760.94 1829.68,2824.68 1829.68,2935.31 v1(1805,2960)
  Bottom Layer w10: v1(1690,2965) 1695,2960 v1(1805,2960)
NetBAT_1: BAT.1 D2.1 | length 199.7
  Top Layer w20: BAT.1@1066.73,2780 1085,2761.73 D2.1@1085,2587.91
NetC1_2: C1.2 R1.2 RST1.2 U1.14 | length 1187.7
  Top Layer w10: U1.14@1884.06,1880 1884.13,1880.08 1884.13,1919.7 1929.43,1965 v1(2060,1965) ; v1(2235,1890) v1(2460,1890) ; C1.2@2460,1769.02 C1.2@2460,1770 v1(2460,1815)
  Top Layer w15: R1.2@2340,1470 2411.93,1470 RST1.2@2417.17,1464.76 RST1.2@2417.17,1685.24 2429.35,1697.42 2429.35,1738.37 C1.2@2460,1769.02
  Bottom Layer w10: v1(2060,1965) 2065,1965 2140,1890 v1(2235,1890) ; v1(2460,1815) v1(2460,1890)
NetC2_1: C2.1 R2.2 U1.12 Y1.1 | length 521.2
  Top Layer w10: U1.12@1844.68,1880 1844.68,1740.32 1890,1695 1890,1575 1880,1565 1858.5,1565 1850,1556.5 C2.1@1850,1460 R2.2@1903.27,1460
NetC3_2: C3.2 U1.49 | length 175
  Top Layer w10: U1.49@2160.63,2392.8 2332.48,2392.8 C3.2@2334.68,2395
NetC4_2: C4.2 U1.73 | length 134.4
  Top Layer w10: C4.2@1650,2599.68 1650,2580 1667.52,2562.48 U1.73@1667.52,2472.52
NetC5_1: C5.1 R2.1 U1.13 Y1.3 | length 595.8
  Top Layer w10: U1.13@1864.37,1880 1864.37,1750.63 1950,1665 Y1.3@1997.09,1665 ; R2.1@1936.73,1460 C5.1@1991.54,1460 1990,1461.54 1990,1480 1955,1515 1955,1617 1978.47,1640.47 1978.47,1646.38 Y1.3@1997.09,1665 ; Y1.3@2003,1665 Y1.3@1997.09,1665
NetC6_2: C6.2 R3.1 U1.21 | length 188.6
  Top Layer w10: U1.21@2021.85,1880 2021.85,1815.23 2043.54,1793.54 2043.54,1773.54 2046.71,1770.37 2049.63,1770.37 2079.92,1740.08 2093.19,1740.08 R3.1@2100,1733.27
NetC7_1: C7.1 D1.2 D2.2 U1.6 | length 1473.3
  Top Layer w10: 1500,1795 v1(1515,1795) 1619.21,1795 1634.21,1810 1695,1810 1726.5,1841.5 1726.5,1879.92 U1.6@1726.57,1880
  Top Layer w15: D2.2@1085,2495 1085,2491.65 1145,2431.65 v1(1145,2430) ; v1(1150,1855) 1295,1855 1350,1910 v1(1360,1910) ; C7.1@1473.46,1805 1473.46,1804.31 1482.78,1795 1500,1795 ; D1.2@1501.46,1745 1515,1758.54 v1(1515,1795)
  Bottom Layer w15: v1(1145,2430) 1145,1860 v1(1150,1855) ; v1(1360,1910) 1370.05,1910 1485.05,1795 v1(1515,1795)
NetC10_2: C10.2 C11.2 CB1.1 Y2.4 | length 207.4
  Top Layer w10: Y2.4@1445,1500 1445,1430 C11.2@1450,1425
  Top Layer w15: C11.2@1450,1425 1460.69,1414.31 1460.69,1364.31 C10.2@1465,1360 1465,1359.02 1455,1349.02 CB1.1@1455,1305